# Altium PCB PCB1.PcbDoc (part 6 of 6)
Units mil, origin at the board's own origin, x right, y up, seen from the top; angles counter-clockwise.
Board outline 3937.01 x 3937.01 mil, 4 copper layers (Top Layer, GND, PWR, Bottom Layer), stack 72.967 mil thick; 11 components, 206 nets, 668 pads, 258 vias.
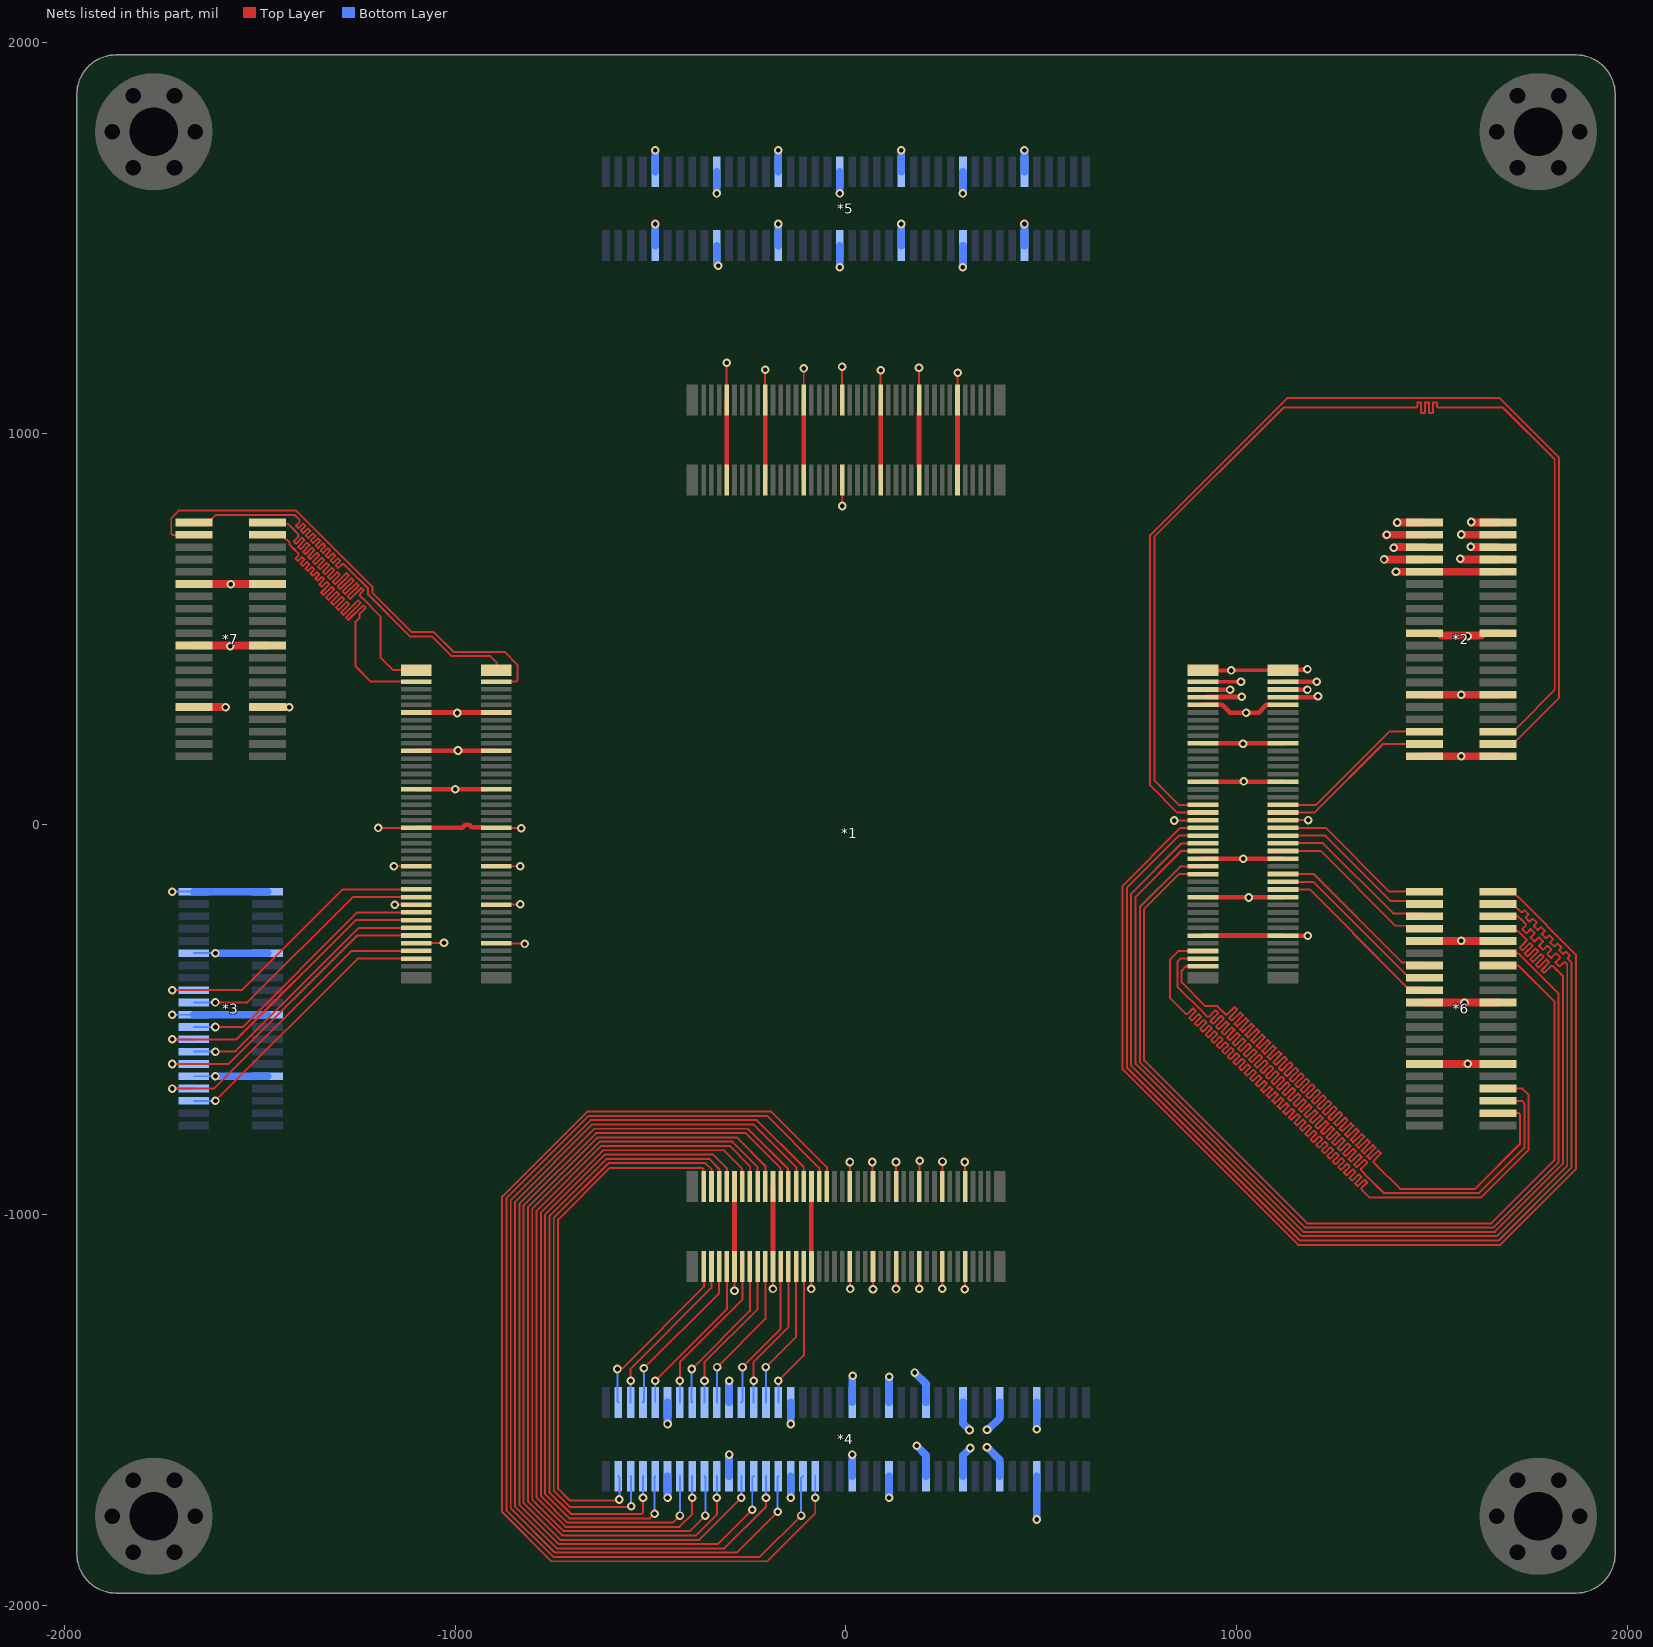
[diagram p8: the nets of this part, all layers, seen from the top]

## Via types
v1: diameter 22, hole 12, Top Layer to Bottom Layer, 254 vias
v2: diameter 24, hole 12, Top Layer to Bottom Layer, 4 vias

## Nets (pads, with @x,y where several pads share a name; then routed paths per layer and width w, separated by ;. In a path a pad name is that pad's centre, name@x,y a point inside that pad or via, vN(x,y) a via of type N, cw(c..) or ccw(c..) an arc to the next point about the centre after c; other vN are vias at no path point) (continued)
B16_L6_P: *1.73 *6.33 | length 2971.5
  Top Layer w5: *1.73@913.71,-324.99 851.87,-324.99 829,-347.86 829,-445 866.5,-482.5 868.27,-484.27 870.04,-486.04 874.18,-486.04 887.98,-472.24 888.69,-472.24 895.05,-478.61 895.05,-479.32 878.64,-495.73 878.64,-496.44 885,-502.8 885.71,-502.8 902.12,-486.39 902.83,-486.39 909.19,-492.75 909.19,-493.46 892.78,-509.87 892.78,-510.58 899.15,-516.94 899.85,-516.94 915.24,-501.55 915.95,-501.55 922.31,-507.92 922.31,-508.63 906.92,-524.01 906.92,-524.72 913.29,-531.08 913.99,-531.08 928.72,-516.36 929.43,-516.36 935.79,-522.72 935.79,-523.43 921.07,-538.15 921.07,-538.86 927.43,-545.23 928.14,-545.23 942.86,-530.5 943.57,-530.5 949.93,-536.86 949.93,-537.57 935.21,-552.3 935.21,-553 941.57,-559.37 942.28,-559.37 957.01,-544.64 957.71,-544.64 964.08,-551.01 964.08,-551.71 949.35,-566.44 949.35,-567.15 955.71,-573.51 956.42,-573.51 971.15,-558.78 971.85,-558.78 978.22,-565.15 978.22,-565.85 963.49,-580.58 963.49,-581.29 969.86,-587.65 970.56,-587.65 985.29,-572.93 986,-572.93 992.36,-579.29 992.36,-580 977.63,-594.72 977.63,-595.43 984,-601.79 984.71,-601.79 999.43,-587.07 1000.14,-587.07 1006.5,-593.43 1006.5,-594.14 991.78,-608.87 991.78,-609.57 998.14,-615.94 998.85,-615.94 1013.57,-601.21 1014.28,-601.21 1020.64,-607.57 1020.64,-608.28 1005.92,-623.01 1005.92,-623.71 1012.28,-630.08 1012.99,-630.08 1027.72,-615.35 1028.42,-615.35 1034.79,-621.72 1034.79,-622.42 1020.06,-637.15 1020.06,-637.86 1026.42,-644.22 1027.13,-644.22 1041.86,-629.49 1042.56,-629.49 1048.93,-635.86 1048.93,-636.57 1034.2,-651.29 1034.2,-652 1040.57,-658.36 1041.27,-658.36 1056,-643.64 1056.71,-643.64 1063.07,-650 1063.07,-650.71 1048.34,-665.43 1048.34,-666.14 1054.71,-672.5 1055.42,-672.5 1070.14,-657.78 1070.85,-657.78 1077.21,-664.14 1077.21,-664.85 1062.49,-679.58 1062.49,-680.28 1068.85,-686.65 1069.56,-686.65 1084.28,-671.92 1084.99,-671.92 1091.36,-678.28 1091.36,-678.99 1076.63,-693.72 1076.63,-694.43 1082.99,-700.79 1083.7,-700.79 1098.43,-686.06 1099.13,-686.06 1105.5,-692.43 1105.5,-693.13 1090.77,-707.86 1090.77,-708.57 1097.14,-714.93 1097.84,-714.93 1112.57,-700.2 1113.28,-700.2 1119.64,-706.57 1119.64,-707.28 1104.91,-722 1104.91,-722.71 1111.28,-729.07 1111.98,-729.07 1126.71,-714.35 1127.42,-714.35 1133.78,-720.71 1133.78,-721.42 1119.06,-736.14 1119.06,-736.85 1125.42,-743.22 1126.13,-743.22 1140.85,-728.49 1141.56,-728.49 1147.92,-734.85 1147.92,-735.56 1133.2,-750.29 1133.2,-750.99 1139.56,-757.36 1140.27,-757.36 1154.99,-742.63 1155.7,-742.63 1162.07,-749 1162.07,-749.7 1147.34,-764.43 1147.34,-765.14 1153.7,-771.5 1154.41,-771.5 1169.14,-756.77 1169.84,-756.77 1176.21,-763.14 1176.21,-763.84 1161.48,-778.57 1161.48,-779.28 1167.85,-785.64 1168.55,-785.64 1183.28,-770.92 1183.99,-770.92 1190.35,-777.28 1190.35,-777.99 1175.62,-792.71 1175.62,-793.42 1181.99,-799.78 1182.69,-799.78 1197.42,-785.06 1198.13,-785.06 1204.49,-791.42 1204.49,-792.13 1189.77,-806.86 1189.77,-807.56 1196.13,-813.93 1196.84,-813.93 1211.56,-799.2 1212.27,-799.2 1218.63,-805.56 1218.63,-806.27 1203.91,-821 1203.91,-821.7 1210.27,-828.07 1210.98,-828.07 1225.71,-813.34 1226.41,-813.34 1232.78,-819.71 1232.78,-820.41 1218.05,-835.14 1218.05,-835.85 1224.41,-842.21 1225.12,-842.21 1239.85,-827.48 1240.55,-827.48 1246.92,-833.85 1246.92,-834.56 1232.19,-849.28 1232.19,-849.99 1238.56,-856.35 1239.26,-856.35 1253.99,-841.63 1254.7,-841.63 1261.06,-847.99 1261.06,-848.7 1246.33,-863.42 1246.33,-864.13 1252.7,-870.49 1253.41,-870.49 1268.13,-855.77 1268.84,-855.77 1275.2,-862.13 1275.2,-862.84 1260.48,-877.57 1260.48,-878.27 1266.84,-884.64 1267.55,-884.64 1282.27,-869.91 1282.98,-869.91 1289.35,-876.27 1289.35,-876.98 1274.62,-891.71 1274.62,-892.42 1280.98,-898.78 1281.69,-898.78 1296.42,-884.05 1297.12,-884.05 1303.49,-890.42 1303.49,-891.12 1288.76,-905.85 1288.76,-906.56 1295.12,-912.92 1295.83,-912.92 1312.24,-896.51 1312.95,-896.51 1319.32,-902.87 1319.32,-903.58 1302.9,-919.99 1302.9,-920.7 1309.27,-927.06 1309.97,-927.06 1326.39,-910.65 1327.09,-910.65 1333.46,-917.01 1333.46,-917.72 1319.66,-931.52 1319.66,-935.66 1326.73,-942.73 1328.5,-944.5 1340,-956 1624.56,-956 1747.04,-833.52 1747.04,-693.04 1731.17,-677.17 *6.33@1669.29,-677.17
B16_L7_N: *1.287 *4.47 | length 2735.1
  Top Layer w5: v1(-115,-1770) -221,-1876 -749.33,-1876 -869,-1756.33 -869,-957.99 -658.01,-747 -202,-747 -68.08,-880.92 *1.287@-68.08,-923.71
  Bottom Layer w5: v1(-115,-1770) -115,-1674.06 *4.47@-110.24,-1669.29
B16_L7_P: *1.285 *4.45 | length 2836.2
  Top Layer w5: v1(-78.74,-1724.66) -78.74,-1763.74 -202,-1887 -753.89,-1887 -880,-1760.89 -880,-953.44 -662.56,-736 -191,-736 -49,-878 *1.285@-49,-927.86
  Bottom Layer w5: v1(-78.74,-1724.66) *4.45@-78.74,-1669.29
B16_L8_N: *1.77 *6.37 | length 2979.6
  Top Layer w5: *1.77@913.71,-364.36 869.64,-364.36 859,-375 859,-405.33 919.91,-466.24 950.39,-466.24 963.19,-479.05 967.07,-482.93 968.84,-484.69 971.39,-487.24 975.53,-487.24 994.32,-468.45 995.02,-468.45 1001.39,-474.81 1001.39,-475.52 980.38,-496.52 980.38,-497.23 986.75,-503.59 987.45,-503.59 1008.46,-482.59 1009.17,-482.59 1015.53,-488.95 1015.53,-489.66 994.53,-510.67 994.53,-511.37 1000.89,-517.74 1001.6,-517.74 1022.6,-496.73 1023.31,-496.73 1029.67,-503.1 1029.67,-503.8 1008.67,-524.81 1008.67,-525.52 1015.03,-531.88 1015.74,-531.88 1036.74,-510.87 1037.45,-510.87 1043.81,-517.24 1043.81,-517.95 1022.81,-538.95 1022.81,-539.66 1029.17,-546.02 1029.88,-546.02 1050.89,-525.02 1051.59,-525.02 1057.96,-531.38 1057.96,-532.09 1036.95,-553.09 1036.95,-553.8 1043.32,-560.16 1044.02,-560.16 1065.03,-539.16 1065.73,-539.16 1072.1,-545.52 1072.1,-546.23 1051.09,-567.23 1051.09,-567.94 1057.46,-574.31 1058.16,-574.31 1079.17,-553.3 1079.88,-553.3 1086.24,-559.66 1086.24,-560.37 1065.24,-581.38 1065.24,-582.08 1071.6,-588.45 1072.31,-588.45 1093.31,-567.44 1094.02,-567.44 1100.38,-573.81 1100.38,-574.51 1079.38,-595.52 1079.38,-596.23 1085.74,-602.59 1086.45,-602.59 1107.45,-581.59 1108.16,-581.59 1114.52,-587.95 1114.52,-588.66 1093.52,-609.66 1093.52,-610.37 1099.88,-616.73 1100.59,-616.73 1121.6,-595.73 1122.3,-595.73 1128.67,-602.09 1128.67,-602.8 1107.66,-623.8 1107.66,-624.51 1114.03,-630.87 1114.73,-630.87 1135.74,-609.87 1136.45,-609.87 1142.81,-616.23 1142.81,-616.94 1121.8,-637.94 1121.8,-638.65 1128.17,-645.02 1128.88,-645.02 1149.88,-624.01 1150.59,-624.01 1156.95,-630.38 1156.95,-631.08 1135.95,-652.09 1135.95,-652.79 1142.31,-659.16 1143.02,-659.16 1164.02,-638.15 1164.73,-638.15 1171.09,-644.52 1171.09,-645.22 1150.09,-666.23 1150.09,-666.94 1156.45,-673.3 1157.16,-673.3 1178.16,-652.3 1178.87,-652.3 1185.24,-658.66 1185.24,-659.37 1164.23,-680.37 1164.23,-681.08 1170.59,-687.44 1171.3,-687.44 1192.31,-666.44 1193.01,-666.44 1199.38,-672.8 1199.38,-673.51 1178.37,-694.51 1178.37,-695.22 1184.74,-701.58 1185.44,-701.58 1206.45,-680.58 1207.16,-680.58 1213.52,-686.94 1213.52,-687.65 1192.52,-708.66 1192.52,-709.36 1198.88,-715.73 1199.59,-715.73 1220.59,-694.72 1221.3,-694.72 1227.66,-701.09 1227.66,-701.79 1206.66,-722.8 1206.66,-723.5 1213.02,-729.87 1213.73,-729.87 1234.73,-708.86 1235.44,-708.86 1241.8,-715.23 1241.8,-715.94 1220.8,-736.94 1220.8,-737.65 1227.16,-744.01 1227.87,-744.01 1248.88,-723.01 1249.58,-723.01 1255.95,-729.37 1255.95,-730.08 1234.94,-751.08 1234.94,-751.79 1241.31,-758.15 1242.01,-758.15 1263.02,-737.15 1263.72,-737.15 1270.09,-743.51 1270.09,-744.22 1249.08,-765.22 1249.08,-765.93 1255.45,-772.3 1256.15,-772.3 1277.16,-751.29 1277.87,-751.29 1284.23,-757.65 1284.23,-758.36 1263.23,-779.37 1263.23,-780.07 1269.59,-786.44 1270.3,-786.44 1291.3,-765.43 1292.01,-765.43 1298.37,-771.8 1298.37,-772.5 1277.37,-793.51 1277.37,-794.22 1283.73,-800.58 1284.44,-800.58 1305.44,-779.57 1306.15,-779.57 1312.51,-785.94 1312.51,-786.65 1291.51,-807.65 1291.51,-808.36 1297.87,-814.72 1298.58,-814.72 1319.59,-793.72 1320.29,-793.72 1326.66,-800.08 1326.66,-800.79 1305.65,-821.79 1305.65,-822.5 1312.02,-828.86 1312.72,-828.86 1333.73,-807.86 1334.44,-807.86 1340.8,-814.22 1340.8,-814.93 1319.79,-835.93 1319.79,-836.64 1326.16,-843.01 1326.87,-843.01 1347.87,-822 1348.58,-822 1354.94,-828.37 1354.94,-829.07 1333.94,-850.08 1333.94,-850.78 1340.3,-857.15 1341.01,-857.15 1362.01,-836.14 1362.72,-836.14 1369.08,-842.51 1369.08,-843.21 1350.29,-862 1350.29,-866.15 1357.37,-873.22 ; 1359.13,-874.98 1357.37,-873.22 ; *6.37@1669.29,-740.16 1722.11,-740.16 1725.04,-743.09 1725.04,-818.96 1610,-934 1418.15,-934 1357.37,-873.22
B16_L8_P: *1.75 *6.35 | length 2976.7
  Top Layer w5: *1.75@913.71,-344.68 855.5,-344.68 848,-352.17 848,-416 915.55,-483.55 917.32,-485.32 925.11,-493.11 929.25,-493.11 945.12,-477.24 945.83,-477.24 952.19,-483.6 952.19,-484.31 932.92,-503.59 932.92,-504.29 939.28,-510.66 939.99,-510.66 959.27,-491.38 959.97,-491.38 966.34,-497.74 966.34,-498.45 947.06,-517.73 947.06,-518.43 953.43,-524.8 954.13,-524.8 972.91,-506.02 973.62,-506.02 979.98,-512.38 979.98,-513.09 961.2,-531.87 961.2,-532.58 967.57,-538.94 968.27,-538.94 987.05,-520.16 987.76,-520.16 994.12,-526.53 994.12,-527.23 975.35,-546.01 975.35,-546.72 981.71,-553.08 982.42,-553.08 1001.19,-534.31 1001.9,-534.31 1008.27,-540.67 1008.27,-541.38 989.49,-560.15 989.49,-560.86 995.85,-567.22 996.56,-567.22 1015.34,-548.45 1016.04,-548.45 1022.41,-554.81 1022.41,-555.52 1003.63,-574.3 1003.63,-575 1009.99,-581.37 1010.7,-581.37 1029.48,-562.59 1030.19,-562.59 1036.55,-568.95 1036.55,-569.66 1017.77,-588.44 1017.77,-589.14 1024.14,-595.51 1024.84,-595.51 1043.62,-576.73 1044.33,-576.73 1050.69,-583.1 1050.69,-583.8 1031.91,-602.58 1031.91,-603.29 1038.28,-609.65 1038.99,-609.65 1057.76,-590.87 1058.47,-590.87 1064.83,-597.24 1064.83,-597.94 1046.06,-616.72 1046.06,-617.43 1052.42,-623.79 1053.13,-623.79 1071.9,-605.02 1072.61,-605.02 1078.98,-611.38 1078.98,-612.09 1060.2,-630.86 1060.2,-631.57 1066.56,-637.94 1067.27,-637.94 1086.05,-619.16 1086.75,-619.16 1093.12,-625.52 1093.12,-626.23 1074.34,-645.01 1074.34,-645.71 1080.7,-652.08 1081.41,-652.08 1100.19,-633.3 1100.9,-633.3 1107.26,-639.66 1107.26,-640.37 1088.48,-659.15 1088.48,-659.86 1094.85,-666.22 1095.55,-666.22 1114.33,-647.44 1115.04,-647.44 1121.4,-653.81 1121.4,-654.51 1102.62,-673.29 1102.62,-674 1108.99,-680.36 1109.7,-680.36 1128.47,-661.58 1129.18,-661.58 1135.54,-667.95 1135.54,-668.66 1116.77,-687.43 1116.77,-688.14 1123.13,-694.5 1123.84,-694.5 1142.62,-675.73 1143.32,-675.73 1149.69,-682.09 1149.69,-682.8 1130.91,-701.57 1130.91,-702.28 1137.27,-708.65 1137.98,-708.65 1156.76,-689.87 1157.46,-689.87 1163.83,-696.23 1163.83,-696.94 1145.05,-715.72 1145.05,-716.42 1151.41,-722.79 1152.12,-722.79 1170.9,-704.01 1171.61,-704.01 1177.97,-710.37 1177.97,-711.08 1159.19,-729.86 1159.19,-730.57 1165.56,-736.93 1166.26,-736.93 1185.04,-718.15 1185.75,-718.15 1192.11,-724.52 1192.11,-725.22 1173.34,-744 1173.34,-744.71 1179.7,-751.07 1180.41,-751.07 1199.18,-732.3 1199.89,-732.3 1206.26,-738.66 1206.26,-739.37 1187.48,-758.14 1187.48,-758.85 1193.84,-765.21 1194.55,-765.21 1213.33,-746.44 1214.03,-746.44 1220.4,-752.8 1220.4,-753.51 1201.62,-772.29 1201.62,-772.99 1207.98,-779.36 1208.69,-779.36 1227.47,-760.58 1228.18,-760.58 1234.54,-766.94 1234.54,-767.65 1215.76,-786.43 1215.76,-787.13 1222.13,-793.5 1222.83,-793.5 1241.61,-774.72 1242.32,-774.72 1248.68,-781.09 1248.68,-781.79 1229.9,-800.57 1229.9,-801.28 1236.27,-807.64 1236.98,-807.64 1255.75,-788.86 1256.46,-788.86 1262.82,-795.23 1262.82,-795.93 1244.05,-814.71 1244.05,-815.42 1250.41,-821.78 1251.12,-821.78 1269.89,-803.01 1270.6,-803.01 1276.97,-809.37 1276.97,-810.08 1258.19,-828.85 1258.19,-829.56 1264.55,-835.93 1265.26,-835.93 1284.04,-817.15 1284.74,-817.15 1291.11,-823.51 1291.11,-824.22 1272.33,-843 1272.33,-843.7 1278.69,-850.07 1279.4,-850.07 1298.18,-831.29 1298.89,-831.29 1305.25,-837.65 1305.25,-838.36 1286.47,-857.14 1286.47,-857.85 1292.84,-864.21 1293.54,-864.21 1312.32,-845.43 1313.03,-845.43 1319.39,-851.8 1319.39,-852.5 1300.61,-871.28 1300.61,-871.99 1306.98,-878.35 1307.69,-878.35 1326.46,-859.57 1327.17,-859.57 1333.53,-865.94 1333.53,-866.65 1318.16,-882.02 1318.16,-886.16 1325.23,-893.23 1327,-895 1377,-945 1620,-945 1736.04,-828.96 1736.04,-715.04 1729.66,-708.66 *6.35@1669.29,-708.66
B16_L9_N: *1.293 *4.53 | length 2481.1
  Top Layer w5: v1(-204.72,-1724.66) -204.72,-1747.3 -311.42,-1854 -740.22,-1854 -847,-1747.22 -847,-967.11 -648.89,-769 -237,-769 -127.08,-878.92 *1.293@-127.08,-923.72
  Bottom Layer w5: v1(-204.72,-1724.66) *4.53@-204.72,-1669.29
B16_L9_P: *1.291 *4.51 | length 2583.8
  Top Layer w5: v1(-175,-1760) -280,-1865 -744.77,-1865 -858,-1751.77 -858,-962.55 -653.45,-758 -228,-758 -108.08,-877.92 *1.291@-108.08,-923.35
  Bottom Layer w5: v1(-175,-1760) -175,-1671.06 *4.51@-173.23,-1669.29
B16_L10_N: *1.294 *4.54 | length 379.8
  Top Layer w5: v1(-205,-1390) -127.74,-1312.74 *1.294@-127.74,-1132.59
  Bottom Layer w5: v1(-205,-1390) -205,-1480.04 *4.54@-204.72,-1480.32
B16_L10_P: *1.292 *4.52 | length 374.7
  Top Layer w5: v1(-173.23,-1424.95) -108.06,-1359.78 *1.292@-108.06,-1132.59
  Bottom Layer w5: *4.52@-173.23,-1480.32 v1(-173.23,-1424.95)
B16_L11_N: *1.297 *4.57 | length 2270.7
  Top Layer w5: v1(-267.72,-1724.66) -375.05,-1832 -731.11,-1832 -825,-1738.11 -825,-976.22 -639.78,-791 -257,-791 -168,-880 *1.297@-168,-922.19
  Bottom Layer w5: v1(-267.72,-1724.66) *4.57@-267.72,-1669.29
B16_L11_P: *1.295 *4.55 | length 2382.3
  Top Layer w5: v1(-240,-1755) -328,-1843 -735.66,-1843 -836,-1742.66 -836,-971.66 -644.34,-780 -251,-780 -148,-883 *1.295@-148,-922.93
  Bottom Layer w5: v1(-240,-1755) -240,-1673.07 *4.55@-236.22,-1669.29
B16_L12_N: *1.298 *4.58 | length 389.4
  Top Layer w5: v1(-265,-1390) -167.12,-1292.12 *1.298@-167.12,-1132.59
  Bottom Layer w5: *4.58@-267.72,-1480.32 -265,-1477.6 v1(-265,-1390)
B16_L12_P: *1.296 *4.56 | length 384.5
  Top Layer w5: v1(-236.22,-1424.95) -236.22,-1376.78 -147.43,-1287.99 *1.296@-147.43,-1132.59
  Bottom Layer w5: *4.56@-236.22,-1480.32 v1(-236.22,-1424.95)
B16_L13_N: *1.303 *4.63 | length 2058.7
  Top Layer w5: v1(-360,-1770) -400,-1810 -721.99,-1810 -803,-1728.99 -803,-985.33 -630.67,-813 -291,-813 -226,-878 *1.303@-226,-922.99
  Bottom Layer w5: *4.63@-362.2,-1669.29 -360,-1671.5 v1(-360,-1770)
B16_L13_P: *1.301 *4.61 | length 2152.1
  Top Layer w5: v1(-330.71,-1724.66) -330.71,-1768.29 -383.42,-1821 -726.55,-1821 -814,-1733.55 -814,-980.77 -635.23,-802 -280,-802 -206,-876 *1.301@-206,-922.27
  Bottom Layer w5: v1(-330.71,-1724.66) *4.61@-330.71,-1669.29
B16_L14_N: *1.304 *4.64 | length 425
  Top Layer w5: v1(-362.2,-1424.95) -362.2,-1377.76 -226,-1241.56 *1.304@-226,-1111.74
  Bottom Layer w5: *4.64@-362.2,-1480.32 v1(-362.2,-1424.95)
B16_L14_P: *1.302 *4.62 | length 399.2
  Top Layer w5: v1(-330,-1390) -206.49,-1266.49 *1.302@-206.49,-1132.59
  Bottom Layer w5: *4.62@-330.71,-1480.32 -330,-1479.61 v1(-330,-1390)
B16_L15_N: *1.307 *4.67 | length 1859.8
  Top Layer w5: v1(-425,-1770) -443,-1788 -712.88,-1788 -781,-1719.88 -781,-994.44 -621.56,-835 -313,-835 -266.08,-881.92 *1.307@-266.08,-923.44
  Bottom Layer w5: *4.67@-425.2,-1669.29 -425,-1669.49 v1(-425,-1770)
B16_L15_P: *1.305 *4.65 | length 1958.6
  Top Layer w5: v1(-393.7,-1724.66) -393.7,-1766.28 -426.42,-1799 -717.44,-1799 -792,-1724.44 -792,-989.89 -626.11,-824 -298,-824 -245.08,-876.92 *1.305@-245.08,-923.73
  Bottom Layer w5: v1(-393.7,-1724.66) *4.65@-393.7,-1669.29
B16_L16_N: *1.308 *4.68 | length 420.9
  Top Layer w5: v1(-425.2,-1424.95) -425.2,-1377.51 -265,-1217.31 *1.308@-265,-1125.78
  Bottom Layer w5: *4.68@-425.2,-1480.32 v1(-425.2,-1424.95)
B16_L16_P: *1.306 *4.66 | length 417.9
  Top Layer w5: v1(-395,-1395) -246,-1246 *1.306@-246,-1124.71
  Bottom Layer w5: v1(-395,-1395) -395,-1479.02 *4.66@-393.7,-1480.32
B16_L17_N: *1.313 *4.73 | length 1610.4
  Top Layer w5: v1(-519.69,-1724.66) -519.69,-1762.26 -523.42,-1766 -703.77,-1766 -759,-1710.77 -759,-1003.56 -612.44,-857 -350,-857 -324,-883 *1.313@-324,-923.03
  Bottom Layer w5: v1(-519.69,-1724.66) *4.73@-519.69,-1669.29
B16_L17_P: *1.311 *4.71 | length 1706.7
  Top Layer w5: v1(-490,-1765) -502,-1777 -708.32,-1777 -770,-1715.32 -770,-999 -617,-846 -340,-846 -305,-881 *1.311@-305,-921.5
  Bottom Layer w5: v1(-490,-1765) -490,-1671.1 *4.71@-488.19,-1669.29
B16_L18_N: *1.314 *4.74 | length 435.1
  Top Layer w5: v1(-517.21,-1392.79) -325,-1200.58 *1.314@-325,-1125.86
  Bottom Layer w5: *4.74@-519.69,-1480.32 -517.21,-1477.84 v1(-517.21,-1392.79)
B16_L18_P: *1.312 *4.72 | length 430.9
  Top Layer w5: v1(-488.19,-1424.95) -305,-1241.76 *1.312@-305,-1125.33
  Bottom Layer w5: *4.72@-488.19,-1480.32 v1(-488.19,-1424.95)
B16_L19_N: *1.317 *4.77 | length 1393.1
  Top Layer w5: v1(-580,-1729) -582,-1731 -707.66,-1731 -737,-1701.66 -737,-1012.67 -604.32,-879.99 -368.35,-879.99 -364.43,-883.92 -364.43,-927.42 *1.317@-363.98,-927.86
  Bottom Layer w5: *4.77@-582.68,-1669.29 -580,-1671.97 v1(-580,-1729)
B16_L19_P: *1.315 *4.75 | length 1496.9
  Top Layer w5: v1(-550,-1746.5) -552,-1748.5 -705.71,-1748.5 -748,-1706.21 -748,-1008.11 -607.89,-868 -360,-868 -344.08,-883.92 -344.08,-917.17 *1.315@-342,-919.25
  Bottom Layer w5: *4.75@-551.18,-1669.29 -550,-1670.47 v1(-550,-1746.5)
B16_L20_N: *1.318 *4.78 | length 446.7
  Top Layer w5: v1(-585,-1395) -582.42,-1392.42 -571.42,-1392.42 -363.98,-1184.98 *1.318@-363.98,-1132.59
  Bottom Layer w5: v1(-585,-1395) -585,-1477.99 *4.78@-582.68,-1480.32
B16_L20_P: *1.316 *4.76 | length 433.4
  Top Layer w5: v1(-551.18,-1424.95) -551.18,-1394.18 -344.29,-1187.29 *1.316@-344.29,-1132.59
  Bottom Layer w5: *4.76@-551.18,-1480.32 v1(-551.18,-1424.95)
B16_L21_N: *1.166 *3.6 | length 720.5
  Top Layer w5: v1(-1613.92,-708.66) -1249.72,-344.46 *1.166@-1099.62,-344.46
  Bottom Layer w5: *3.6@-1669.29,-708.66 v1(-1613.92,-708.66)
B16_L21_P: *1.168 *3.8 | length 826.4
  Top Layer w5: v1(-1724.66,-677.17) -1617.84,-677.17 -1265.45,-324.78 *1.168@-1099.62,-324.78
  Bottom Layer w5: v1(-1724.66,-677.17) *3.8@-1669.29,-677.17
B16_L22_N: *1.178 *3.18 | length 691.2
  Top Layer w5: v1(-1613.92,-519.69) -1544.01,-519.69 -1250.69,-226.36 *1.178@-1099.62,-226.36
  Bottom Layer w5: *3.18@-1669.29,-519.69 v1(-1613.92,-519.69)
B16_L22_P: *1.176 *3.16 | length 806.8
  Top Layer w5: v1(-1724.66,-551.18) -1559.95,-551.18 -1254.81,-246.04 *1.176@-1099.62,-246.04
  Bottom Layer w5: v1(-1724.66,-551.18) *3.16@-1669.29,-551.18
B16_L23_N: *1.174 *3.14 | length 701
  Top Layer w5: v1(-1613.92,-582.68) -1563.95,-582.68 -1246.99,-265.72 *1.174@-1099.62,-265.72
  Bottom Layer w5: *3.14@-1669.29,-582.68 v1(-1613.92,-582.68)
B16_L23_P: *1.172 *3.12 | length 816.6
  Top Layer w5: v1(-1724.66,-614.18) -1579.89,-614.18 -1251.12,-285.41 *1.172@-1099.62,-285.41
  Bottom Layer w5: v1(-1724.66,-614.18) *3.12@-1669.29,-614.18
B16_L24_N: *1.184 *3.24 | length 787.2
  Top Layer w5: v1(-1724.66,-425.2) -1546.52,-425.2 -1288.63,-167.3 *1.184@-1099.62,-167.3
  Bottom Layer w5: v1(-1724.66,-425.2) *3.24@-1669.29,-425.2
B16_L24_P: *1.182 *3.22 | length 681.4
  Top Layer w5: v1(-1613.92,-456.69) -1532.2,-456.69 -1262.5,-186.99 *1.182@-1099.62,-186.99
  Bottom Layer w5: *3.22@-1669.29,-456.69 v1(-1613.92,-456.69)
B34_L18_N: *1.41 *6.1 | length 2977.7
  Top Layer w5: *1.41@913.71,-10.02 856,-10.02 708,-158.01 708,-627.78 1157.22,-1077 1674.68,-1077 1868.04,-883.64 1868.04,-334.36 1720.06,-186.38 1719.85,-186.38 1706.69,-173.23 *6.1@1669.29,-173.23
B34_L18_P: *1.43 *6.3 | length 3000
  Top Layer w5: *1.43@913.71,-29.7 851.87,-29.7 719,-162.57 719,-623.23 1161.77,-1066 1670.12,-1066 1857.04,-879.08 1857.04,-354.85 1856.64,-354.46 1854.88,-352.69 1848.38,-346.2 1848.38,-342.05 1852.48,-337.95 1852.48,-336.89 1842.94,-327.34 1841.88,-327.34 1836.23,-332.99 1835.17,-332.99 1825.62,-323.44 1825.62,-322.38 1831.27,-316.73 1831.27,-315.67 1821.73,-306.13 1820.67,-306.13 1813.61,-313.18 1812.55,-313.18 1803.01,-303.63 1803.01,-302.57 1810.06,-295.52 1810.06,-294.46 1800.51,-284.91 1799.45,-284.91 1792.4,-291.96 1791.34,-291.96 1781.79,-282.42 1781.79,-281.36 1788.85,-274.31 1788.85,-273.25 1779.3,-263.7 1778.24,-263.7 1771.19,-270.75 1770.13,-270.75 1760.58,-261.21 1760.58,-260.15 1767.63,-253.09 1767.63,-252.03 1758.09,-242.49 1757.03,-242.49 1749.97,-249.54 1748.91,-249.54 1739.37,-239.99 1739.37,-238.93 1746.42,-231.88 1746.42,-230.82 1736.87,-221.27 1735.81,-221.27 1731.71,-225.38 1727.56,-225.38 1725.8,-223.61 1720.06,-217.88 1719.85,-217.88 1706.69,-204.72 *6.3@1669.29,-204.72
B34_L19_N: *1.47 *6.7 | length 2966
  Top Layer w5: *1.47@915.27,-69.07 858.7,-69.07 741,-186.76 741,-614.11 1170.89,-1044 1176.44,-1044 1661.01,-1044 1835.04,-869.97 1835.04,-389.04 1822.73,-376.73 1820.96,-374.96 1809.12,-363.12 1804.98,-363.12 1787.18,-380.92 1786.47,-380.92 1780.11,-374.55 1780.11,-373.85 1799.63,-354.33 1799.63,-353.62 1793.26,-347.26 1792.55,-347.26 1773.04,-366.78 1772.33,-366.78 1765.97,-360.41 1765.97,-359.7 1785.59,-340.08 1785.59,-339.38 1779.23,-333.01 1778.52,-333.01 1758.9,-352.63 1758.19,-352.63 1751.83,-346.27 1751.83,-345.56 1771.34,-326.05 1771.34,-325.34 1764.98,-318.98 1764.27,-318.98 1744.76,-338.49 1744.05,-338.49 1737.68,-332.13 1737.68,-331.42 1757.2,-311.91 1757.2,-311.2 1750.84,-304.83 1750.13,-304.83 1731.68,-323.28 1730.97,-323.28 1724.61,-316.92 1724.61,-316.21 1741.34,-299.48 1741.34,-295.34 1734.27,-288.27 1732.5,-286.5 1720.35,-274.35 1675.93,-274.35 *6.7@1669.29,-267.71
B34_L19_P: *1.45 *6.5 | length 2946.4
  Top Layer w5: *1.45@916.84,-49.38 858.71,-49.38 730,-178.08 730,-618.67 1166.33,-1055 1171.89,-1055 1191,-1055 1665.56,-1055 1846.04,-874.53 1846.04,-359.41 1842.99,-356.36 1840.79,-354.16 1836.65,-354.16 1826.71,-364.1 1825.65,-364.1 1816.11,-354.55 1816.11,-353.49 1827.58,-342.02 1827.58,-340.96 1818.03,-331.41 1816.97,-331.41 1805.5,-342.88 1804.44,-342.88 1794.89,-333.34 1794.89,-332.28 1804.96,-322.21 1804.96,-321.15 1795.42,-311.6 1794.36,-311.6 1784.29,-321.67 1783.23,-321.67 1773.68,-312.12 1773.68,-311.06 1783.75,-300.99 1783.75,-299.93 1774.21,-290.39 1773.15,-290.39 1763.07,-300.46 1762.01,-300.46 1752.47,-290.91 1752.47,-289.85 1762.54,-279.78 1762.54,-278.72 1752.99,-269.17 1751.93,-269.17 1741.86,-279.24 1740.8,-279.24 1731.25,-269.7 1731.25,-268.64 1739.78,-260.11 1739.78,-255.97 1729.18,-245.36 1727.41,-243.59 1721.11,-237.29 1670.36,-237.29 *6.5@1669.29,-236.22
B34_L20_N: *1.38 *2.38 | length 428.2
  Top Layer w5: *1.38@1124.51,30 1199.7,30 1374.42,204.72 *2.38@1480.31,204.72
B34_L20_P: *1.36 *2.36 | length 432.1
  Top Layer w5: *1.36@1125.8,49 1203.14,49 1390.36,236.22 *2.36@1480.31,236.22
B34_L21_N: *1.42 *6.2 | length 421.6
  Top Layer w5: *1.42@1126.36,-10 1227.35,-10 1390.58,-173.23 *6.2@1480.31,-173.23
B34_L21_P: *1.44 *6.4 | length 427
  Top Layer w5: *1.44@1125.65,-30 1227.14,-30 1394.51,-197.38 1472.97,-197.38 *6.4@1480.31,-204.72
B34_L22_N: *1.48 *6.8 | length 438.5
  Top Layer w5: *1.48@1124.17,-69 1214.95,-69 1406.33,-260.37 1472.97,-260.37 *6.8@1480.31,-267.71
B34_L22_P: *1.46 *6.6 | length 431.3
  Top Layer w5: *1.46@1126.58,-49 1220.55,-49 1400.42,-228.88 1472.97,-228.88 *6.6@1480.31,-236.22
B34_L23_N: *1.37 *2.37 | length 2879.5
  Top Layer w5: *1.37@913.71,29.35 847.93,29.35 778.14,99.14 778.14,739.24 1128.9,1090 1673,1090 1825,938 1825,322.82 1720.06,217.88 1719.85,217.88 1706.69,204.72 *2.37@1669.29,204.72
B34_L23_P: *1.35 *2.35 | length 2897.3
  Top Layer w5: *1.35@913.71,49.04 851.84,49.04 789.14,111.74 789.14,734.69 1120.46,1066 1456.83,1066 1459.33,1066 1462.26,1068.93 1462.26,1078.5 1462.76,1079 1471.76,1079 1472.26,1078.5 1472.26,1052.5 1472.76,1052 1481.76,1052 1482.26,1052.5 1482.26,1078.5 1482.76,1079 1491.76,1079 1492.26,1078.5 1492.26,1052.5 1492.76,1052 1501.76,1052 1502.26,1052.5 1502.26,1078.5 1502.76,1079 1511.76,1079 1512.26,1078.5 1512.26,1068.93 1515.19,1066 1527.69,1066 1681.44,1066 1814,933.44 1814,343.32 1720.06,249.37 1719.85,249.37 1706.69,236.22 *2.35@1669.29,236.22
B34_L24_N: *1.58 *6.18 | length 492.2
  Top Layer w5: *1.58@1096.94,-167.5 1096.44,-167 *1.58@1118.43,-167 ; *1.58@1118.43,-167.5 1186.52,-167.5 1297.77,-278.75 1297.77,-280.26 1435.36,-417.85 1472.97,-417.85 *6.18@1480.31,-425.2
B34_L24_P: *1.56 *6.16 | length 455.2
  Top Layer w5: *1.56@1126.86,-148 1195.97,-148 1434.33,-386.36 1472.97,-386.36 *6.16@1480.31,-393.7
B34_L25: *1.54 *6.14 | length 446.7
  Top Layer w5: *1.54@1130.66,-128 1197.18,-128 1424.05,-354.86 1472.97,-354.86 *6.14@1480.31,-362.2
fpga5V: *1.1 *1.2 *1.3 *1.4 *1.5 *1.6 *1.7 *1.8 *2.1 *2.2 *2.3 *2.4 *2.5 *2.6 *2.7 *2.8 | length 1230.4
  Top Layer w10: *1.3@913.71,363.98 v1(1011,364) ; *1.2@1118.43,393.52 *1.2@1143.04,393.52
  Top Layer w12: *1.7@923.15,325 1012,325 v1(1013,326) ; *1.5@924.04,344 v1(983,344) ; *1.8@1118.43,324.62 1202.92,324.62 1205.29,327 v1(1208,327) ; *1.4@1118.43,363.98 v1(1205,364) ; *1.6@1126.23,344 v1(1181,344) ; *1.2@1143.04,393.52 1144.28,394.76 1179.76,394.76 v1(1181,396)
  Top Layer w20: v1@1377,677 v1(1377.17,677.17) *2.8@1480.31,677.17 ; v1@1382,738 v1(1384.16,740.16) *2.4@1480.31,740.16 ; v1@1401,706 v1(1402.33,707.33) 1403.66,708.66 *2.6@1480.31,708.66 ; v1@1409,770 v1(1410.66,771.66) *2.2@1480.31,771.66 ; v1(1572,679) 1572.54,679 1574.37,677.17 *2.7@1669.29,677.17 ; v1(1575,741) 1575.54,741 1576.38,740.16 *2.3@1669.29,740.16 ; v1(1599,710) 1600.34,708.66 *2.5@1669.29,708.66 ; v1(1600,773) 1600.54,773 1601.89,771.66 *2.1@1669.29,771.66
  other v1: 986,393
FPGA_TCK: *1.237 *7.37 | length 1260.7
  Top Layer w5: *7.37@-1669.29,740.16 -1724.04,740.16 -1726.97,743.09 -1726.97,783.09 -1708.06,802 -1407,802 -1212.44,607.44 -1212.44,592.44 -1111.16,491.16 -1055.25,491.16 -1004.61,440.53 -873.44,440.53 -841,408.09 -841,367.13 -843.93,364.2 *1.237@-894.9,364.2
FPGA_TDI: *1.238 *7.38 | length 1270.3
  Top Layer w5: *7.38@-1480.31,740.16 -1474.04,733.89 -1436.64,733.89 -1435.57,732.82 -1435.57,729.94 -1432.64,727.01 -1429.55,727.01 -1424.57,722.03 -1424.57,715.57 -1409,700 -1407.23,698.23 -1400.87,691.87 -1400.87,687.73 -1408.7,679.89 -1408.7,679.26 -1402.97,673.53 -1402.34,673.53 -1392.75,683.11 -1392.11,683.11 -1386.39,677.39 -1386.39,676.75 -1395.97,667.17 -1395.97,666.53 -1390.25,660.8 -1389.61,660.8 -1380.02,670.39 -1379.39,670.39 -1373.66,664.66 -1373.66,664.02 -1383.24,654.44 -1383.24,653.8 -1377.52,648.07 -1376.88,648.07 -1367.3,657.66 -1366.66,657.66 -1360.93,651.93 -1360.93,651.29 -1370.52,641.71 -1370.52,641.07 -1364.79,635.35 -1364.15,635.35 -1354.57,644.93 -1353.93,644.93 -1348.2,639.2 -1348.2,638.57 -1357.79,628.98 -1357.79,628.35 -1352.06,622.62 -1351.42,622.62 -1341.84,632.2 -1341.2,632.2 -1335.48,626.48 -1335.48,625.84 -1347.68,613.63 -1347.68,613 -1341.95,607.27 -1341.32,607.27 -1329.11,619.48 -1328.48,619.48 -1322.75,613.75 -1322.75,613.11 -1343.32,592.53 -1343.32,591.9 -1337.6,586.17 -1336.96,586.17 -1316.38,606.75 -1315.75,606.75 -1310.02,601.02 -1310.02,600.38 -1330.6,579.81 -1330.6,579.17 -1324.87,573.44 -1324.23,573.44 -1303.66,594.02 -1303.02,594.02 -1297.29,588.29 -1297.29,587.66 -1317.87,567.08 -1317.87,566.44 -1312.14,560.71 -1311.5,560.71 -1290.93,581.29 -1290.29,581.29 -1284.56,575.56 -1284.56,574.93 -1305.14,554.35 -1305.14,553.71 -1299.41,547.99 -1298.78,547.99 -1278.2,568.56 -1277.56,568.56 -1271.84,562.84 -1271.84,562.2 -1292.41,541.62 -1292.41,540.99 -1286.69,535.26 -1286.05,535.26 -1248.75,572.56 -1248.11,572.56 -1242.39,566.83 -1242.39,566.19 -1279.68,528.89 -1279.68,528.26 -1273.96,522.53 -1273.32,522.53 -1236.02,559.83 -1235.39,559.83 -1229.66,554.1 -1229.66,553.47 -1244.74,538.38 -1244.74,528.26 -1255,518 -1255,403.13 -1216.07,364.2 *1.238@-1083.43,364.2
FPGA_TDO: *1.239 *7.39 | length 1262.2
  Top Layer w5: *7.39@-1669.29,771.66 -1631.89,771.66 -1612.55,791 -1411.56,791 -1406.28,785.72 -1404.51,783.95 -1398.15,777.59 -1398.15,773.45 -1407.7,763.89 -1407.7,763.26 -1401.97,757.53 -1401.34,757.53 -1390.03,768.84 -1389.39,768.84 -1383.67,763.11 -1383.67,762.47 -1394.97,751.17 -1394.97,750.53 -1389.25,744.8 -1388.61,744.8 -1377.3,756.11 -1376.66,756.11 -1370.94,750.38 -1370.94,749.74 -1382.24,738.44 -1382.24,737.8 -1376.52,732.07 -1375.88,732.07 -1364.57,743.38 -1363.94,743.38 -1358.21,737.65 -1358.21,737.02 -1369.52,725.71 -1369.52,725.07 -1363.79,719.35 -1363.15,719.35 -1351.85,730.65 -1351.21,730.65 -1345.48,724.93 -1345.48,724.29 -1356.79,712.98 -1356.79,712.35 -1351.06,706.62 -1350.42,706.62 -1339.12,717.92 -1338.48,717.92 -1332.75,712.2 -1332.75,711.56 -1344.06,700.25 -1344.06,699.62 -1338.33,693.89 -1337.7,693.89 -1326.39,705.2 -1325.75,705.2 -1320.03,699.47 -1320.03,698.83 -1331.33,687.53 -1331.33,686.89 -1325.61,681.16 -1324.97,681.16 -1313.66,692.47 -1313.03,692.47 -1307.3,686.74 -1307.3,686.11 -1318.61,674.8 -1318.61,674.16 -1312.88,668.43 -1312.24,668.43 -1300.93,679.74 -1300.3,679.74 -1294.57,674.01 -1294.57,673.38 -1305.88,662.07 -1305.88,661.43 -1300.15,655.71 -1299.51,655.71 -1289.96,665.26 -1285.82,665.26 -1273.8,653.24 ; -1272.03,651.47 -1273.8,653.24 ; *1.239@-894.9,393.72 -894.9,414.33 -910.09,429.53 -1009.53,429.53 -1060.16,480.16 -1116.16,480.16 -1223.44,587.44 -1223.44,602.88 -1273.8,653.24
FPGA_TMS: *1.240 *7.40 | length 1284.8
  Top Layer w5: *7.40@-1480.31,771.66 -1477.16,768.5 -1428.5,768.5 -1409,749 -1407.23,747.23 -1400.87,740.87 -1400.87,736.73 -1413.41,724.19 -1413.41,723.55 -1407.68,717.82 -1407.04,717.82 -1392.75,732.11 -1392.11,732.11 -1386.39,726.39 -1386.39,725.75 -1402.47,709.67 -1402.47,709.03 -1396.74,703.3 -1396.11,703.3 -1380.02,719.39 -1379.39,719.39 -1373.66,713.66 -1373.66,713.02 -1389.74,696.94 -1389.74,696.3 -1384.02,690.57 -1383.38,690.57 -1367.3,706.66 -1366.66,706.66 -1360.93,700.93 -1360.93,700.29 -1377.02,684.21 -1377.02,683.57 -1371.29,677.85 -1370.65,677.85 -1354.57,693.93 -1353.93,693.93 -1348.2,688.2 -1348.2,687.57 -1364.29,671.48 -1364.29,670.85 -1358.56,665.12 -1357.92,665.12 -1341.84,681.2 -1341.2,681.2 -1335.48,675.48 -1335.48,674.84 -1351.56,658.75 -1351.56,658.12 -1345.83,652.39 -1345.2,652.39 -1329.11,668.47 -1328.48,668.47 -1322.75,662.75 -1322.75,662.11 -1338.83,646.03 -1338.83,645.39 -1333.11,639.66 -1332.47,639.66 -1316.38,655.75 -1315.75,655.75 -1310.02,650.02 -1310.02,649.38 -1326.11,633.3 -1326.11,632.66 -1320.38,626.93 -1319.74,626.93 -1302.16,644.52 -1301.52,644.52 -1295.79,638.79 -1295.79,638.15 -1313.38,620.57 -1313.38,619.93 -1307.65,614.21 -1307.01,614.21 -1278.98,642.24 -1278.35,642.24 -1272.62,636.51 -1272.62,635.87 -1300.65,607.84 -1300.65,607.21 -1294.92,601.48 -1294.29,601.48 -1266.26,629.51 -1265.62,629.51 -1259.89,623.78 -1259.89,623.14 -1287.92,595.11 -1287.92,594.48 -1282.19,588.75 -1281.56,588.75 -1253.53,616.78 -1252.89,616.78 -1247.16,611.05 -1247.16,610.42 -1275.19,582.39 -1275.19,581.75 -1269.47,576.02 -1268.83,576.02 -1240.8,604.05 -1240.16,604.05 -1234.44,598.32 -1234.44,597.69 -1243.99,588.13 -1243.99,583.99 -1240.27,580.27 -1238.5,578.5 -1191,531 -1191,425.48 -1159.24,393.72 *1.240@-1099.62,393.72
GND: *1.9 *1.10 *1.19 *1.20 *1.29 *1.30 *1.39 *1.40 *1.49 *1.50 *1.59 *1.60 *1.69 *1.70 *1.89 *1.90 *1.99 *1.100 *1.109 *1.110 *1.119 *1.120 *1.129 *1.130 *1.139 *1.140 *1.149 *1.150 *1.169 *1.170 *1.179 *1.180 *1.189 *1.190 *1.199 *1.200 *1.209 *1.210 *1.219 *1.220 *1.229 *1.230 *1.249 *1.250 *1.255 *1.256 *1.261 *1.262 *1.267 *1.268 *1.273 *1.274 *1.279 *1.280 *1.289 *1.290 *1.299 *1.300 *1.309 *1.310 *2.9 *2.10 *2.19 *2.20 *2.29 *2.30 *2.39 *2.40 *3.9 *3.10 *3.19 *3.20 *3.29 *3.30 *3.39 *3.40 *4.9 *4.10 *4.15 *4.16 *4.21 *4.22 *4.27 *4.28 *4.33 *4.34 *4.39 *4.40 *4.49 *4.50 *4.59 *4.60 *4.69 *4.70 *5.9 *5.10 *5.19 *5.20 *5.29 *5.30 *5.39 *5.40 *5.49 *5.50 *5.59 *5.60 *5.69 *5.70 *6.9 *6.10 *6.19 *6.20 *6.29 *6.30 *7.9 *7.10 *7.19 *7.20 *7.29 *7.30 | length 10946.8
  Top Layer w5: v1(-1197,-10) -1196.92,-9.92 -1099.71,-9.92 *1.200@-1099.62,-9.83 ; v1(-1157,-108.07) -1156.91,-108.16 -1101.55,-108.16 *1.190@-1101.52,-108.13 ; v1(-1154.91,-206.49) -1154.82,-206.58 -1100.12,-206.58 *1.180@-1099.62,-206.09 ; *1.170@-1099.62,-304 -1099.08,-304.55 -1029.55,-304.55 v1(-1029,-304) ; *1.169@-919.59,-306.05 -822.95,-306.05 v1(-822,-307) ; *1.179@-894.9,-205.84 -834.84,-205.84 v1(-834,-205) ; *1.189@-894.9,-108.25 -894.77,-108.13 -834.13,-108.13 v1(-834,-108) ; *1.199@-888.83,-10.42 -831.58,-10.42 v1(-831,-11) ; *1.90@-305.27,1083.91 v1(-305.27,1180.16) ; *1.310@-285.62,-1133.98 -285.37,-1134.23 -285.37,-1194.87 v1(-285.5,-1195) ; v1(-206.83,1162.83) -206.83,1085.67 *1.100@-206.66,1085.5 ; *1.300@-187.15,-1134.01 -186.9,-1134.27 -186.9,-1189.9 v1(-186.99,-1190) ; *1.110@-108.15,1086.66 -108.15,1165.91 v1(-108.06,1166) ; *1.290@-88.69,-1126.26 -88.47,-1126.48 -88.47,-1189.9 v1(-88.56,-1190) ; *1.120@-10.41,1068.66 -10.41,1169.59 v1(-10,1170) ; *1.119@-9.41,881.19 -9.6,881.01 -9.6,814.17 v1(-9.37,813.94) ; *1.280@9.47,-1129.84 10.27,-1130.65 10.27,-1189.77 v1(10.5,-1190) ; v1(10,-865) 10.02,-919.24 *1.279@11,-920.22 ; v1(67,-865) 68.05,-866.05 68.05,-918.04 *1.273@70,-919.99 ; v1(69.1,-1191.1) *1.274@69.1,-1132.59 ; *1.130@88.6,1085.5 88.69,1085.6 88.69,1160.91 v1(88.79,1161) ; v1(128,-1190) 128.08,-1189.92 128.08,-1126.7 *1.268@128,-1126.62 ; v1(128,-865) 128.07,-865.07 128.07,-918.74 *1.267@129,-919.67 ; v1(186.85,1168) 187.03,1167.82 *1.140@187.03,1085.5 *1.140@187.03,1071.54 ; *1.261@187,-920.26 188.1,-919.15 188.1,-862.9 v1(189,-862) ; v1(187.21,-1189.21) *1.262@187.21,-1132.59 ; v1(246.57,-1189.57) 246.57,-1125.74 *1.256@248,-1124.32 ; *1.255@247,-920.49 246.63,-920.12 246.63,-864.37 v1(247,-864) ; *1.150@285.65,1085.5 v1(285.65,1155) ; v1(304,-1191) 304.65,-1190.35 304.65,-1125.66 *1.250@306,-1124.32 ; v1(304,-865) 304.65,-865.65 304.65,-917.62 *1.249@307,-919.96 ; v1(840,9) 840.34,9.34 914.92,9.34 *1.39@915.26,9 ; v1(1017,-89) 1017.13,-88.87 1118.31,-88.87 *1.50@1118.43,-89 ; v1(1018,109) 1018.45,108.55 1117.93,108.55 *1.30@1118.43,108.09 *1.30@1118.43,108.05 ; *1.40@1127.05,10 1127.22,9.84 1182.84,9.84 v1(1183,10)
  Top Layer w12: *1.200@-1099.62,-9.83 -981.66,-9.83 -973.97,-2.14 -964.03,-2.14 -958.13,-8.05 -930.05,-8.05 *1.199@-928.27,-9.83 ; *1.210@-1099.62,88.59 -1099.53,88.68 -1000.32,88.68 v1(-1000,89) *1.209@-921.62,89 ; *1.220@-1099.62,187.02 -1099.53,187.11 -993.89,187.11 v1(-993,188) -992.12,187.12 -894.99,187.12 *1.219@-894.9,187.03 ; *1.230@-1099.62,285.46 -1099.53,285.36 -996.36,285.36 v1(-995,284) -993.64,285.36 *1.229@-928.27,285.36 ; *1.89@-305.18,914.15 -305.18,1085.41 *1.90@-305.08,1085.5 ; *1.310@-285.24,-1132.59 *1.309@-285.24,-927.86 ; *1.99@-206.66,880.78 *1.100@-206.66,1085.5 ; *1.300@-186.81,-1099.22 *1.299@-186.81,-927.86 ; *1.109@-108.24,880.78 *1.110@-108.24,1085.5 ; *1.290@-89,-1115.82 *1.289@-89,-919.71 ; *1.129@88.6,880.78 *1.130@88.6,1080.22 ; *1.139@187,914.15 *1.140@187,1052.13 ; *1.149@285.47,914.15 *1.150@285.47,1085.5 ; *1.69@913.71,-285.62 *1.70@1118.43,-285.62 1118.53,-285.71 1181.71,-285.71 v1(1182,-286) ; *1.59@913.71,-187.19 913.8,-187.28 1030.28,-187.28 v1(1031,-188) 1031.73,-187.27 1118.34,-187.27 *1.60@1118.43,-187.18 ; *1.49@913.71,-88.75 *1.50@1118.43,-88.75 ; *1.29@913.71,108.09 *1.30@1118.43,108.09 ; *1.19@913.71,206.51 1014.49,206.51 v1(1016,205) 1017.51,206.51 *1.20@1118.43,206.51 ; *1.9@913.71,304.93 963.07,304.93 983,285 v1(1024,285) 1055.93,285 1075.87,304.93 *1.10@1085.06,304.93
  Top Layer w19.68: *7.9@-1669.29,299.21 -1588.21,299.21 v1(-1588,299) ; *7.19@-1669.29,456.69 -1578.32,456.69 -1577.07,455.44 v1@-1576.76,455.76 ; *7.29@-1669.29,614.17 -1575.17,614.17 v1(-1575,614) ; v1@-1577.69,456.69 v1@-1576.76,455.76 ; v1(-1576,455) v1@-1576.76,455.76 ; *7.10@-1480.31,299.21 v1(-1424.79,299.21) ; v1@1406,644 v1(1407.67,645.67) *2.10@1480.31,645.67 *2.9@1669.29,645.67 ; *6.30@1480.31,-614.17 *6.29@1669.29,-614.17 ; *6.20@1480.31,-456.69 *6.19@1669.29,-456.69 ; *6.10@1480.31,-299.21 v1(1574.8,-299.21) *6.9@1669.29,-299.21 ; *2.40@1480.31,173.23 v1(1574.8,173.23) *2.39@1669.29,173.23 ; *2.30@1480.31,330.71 v1(1574.8,330.71) *2.29@1669.29,330.71 ; *2.20@1480.31,488.19 1517.72,488.19 1523.53,482.38 1626.08,482.38 1631.89,488.19 *2.19@1669.29,488.19
  Top Layer w20: v1@-1578.32,456.69 -1577.69,456.69 *7.20@-1480.31,456.69 ; v1(-1575,614) -1574.91,614.09 -1480.4,614.09 *7.30@-1480.31,614.17
  Bottom Layer w5: v1(-1724.66,-488.19) *3.20@-1669.29,-488.19 ; v1(-1724.66,-173.22) *3.40@-1669.29,-173.22 ; *3.10@-1669.29,-645.67 v1(-1613.92,-645.67) ; *3.30@-1669.29,-330.71 v1(-1613.92,-330.71)
  Bottom Layer w19.68: *5.10@-488.19,1480.32 v1(-488.19,1535.69) ; *5.9@-488.19,1669.29 v1(-488.19,1724.66) ; v1(-456.69,-1724.66) *4.69@-456.69,-1669.29 ; v1(-456.69,-1535.69) *4.70@-456.69,-1480.32 ; *5.20@-330.71,1480.32 -330.71,1433.29 -326.85,1429.43 v1(-326.85,1428.81) ; v1(-330.71,1613.92) *5.19@-330.71,1669.29 ; *4.59@-299.21,-1669.29 v1(-299.21,-1613.92) ; *4.60@-299.21,-1480.32 v1(-299.21,-1424.95) ; *5.30@-173.23,1480.32 v1(-173.23,1535.69) ; *5.29@-173.23,1669.29 v1(-173.23,1724.66) ; v1(-141.73,-1724.66) *4.49@-141.73,-1669.29 ; v1(-141.73,-1535.69) *4.50@-141.73,-1480.32 ; v1(-15.75,1424.95) *5.40@-15.75,1480.32 ; v1(-15.75,1613.92) *5.39@-15.75,1669.29 ; *4.39@15.75,-1669.29 v1(15.75,-1613.92) ; *4.40@15.75,-1480.32 15.75,-1413.88 17,-1412.63 v1(17,-1412) ; v1(110.24,-1724.66) *4.33@110.24,-1669.29 ; *4.34@110.24,-1480.32 110.24,-1416.39 111,-1415.63 v1(111,-1415) ; *5.50@141.73,1480.32 v1(141.73,1535.69) ; *5.49@141.73,1669.29 v1(141.73,1724.66) ; v1(176,-1404) 204.73,-1432.73 *4.28@204.73,-1480.32 ; v1(181,-1591) 181,-1591.63 204.73,-1615.35 *4.27@204.73,-1669.29 ; *4.21@299.21,-1669.29 299.21,-1616.41 318,-1597.63 v1(318,-1597) ; *4.22@299.21,-1480.32 299.21,-1533.59 316,-1550.37 v1(316,-1551) ; v1(299.21,1424.95) *5.60@299.21,1480.32 ; v1(299.21,1613.92) *5.59@299.21,1669.29 ; v1(361,-1595) 393.7,-1627.7 *4.15@393.7,-1669.29 ; v1(361,-1550) 361.44,-1549.56 364.58,-1549.56 393.7,-1520.44 *4.16@393.7,-1480.32 ; *5.70@456.69,1480.32 v1(456.69,1535.69) ; *5.69@456.69,1669.29 v1(456.69,1724.66) ; v1(488,-1780) 488.19,-1779.81 *4.9@488.19,-1669.29 ; v1(488,-1549) 488.19,-1548.81 *4.10@488.19,-1480.32
  Bottom Layer w20: *3.20@-1669.29,-488.19 *3.19@-1480.31,-488.19 ; *3.40@-1669.29,-173.22 *3.39@-1480.31,-173.22 ; v1(-1613.92,-645.67) *3.9@-1480.31,-645.67 ; v1(-1613.92,-330.71) *3.29@-1480.31,-330.71
  other v1: 1591,-614 1583,-458 1591,481
XADC_VN: *1.51 *6.11 | length 2550.9
  Top Layer w5: *1.51@917.14,-109 855.44,-109 752,-212.43 752,-609.56 1175.44,-1033 1181,-1033 1656.45,-1033 1824.04,-865.41 1824.04,-434.04 1721.11,-331.11 1669.69,-331.11 *6.11@1669.29,-330.71
XADC_VP: *1.53 *6.13 | length 2453.6
  Top Layer w5: *1.53@913.71,-128.13 851.86,-128.13 763,-216.99 763,-605 1180,-1022 1651.89,-1022 1813.04,-860.86 1813.04,-454.04 1721.2,-362.2 *6.13@1669.29,-362.2
pads on no net: *1.11 *1.12 *1.13 *1.14 *1.15 *1.17 *1.52 *1.55 *1.57 *1.62 *1.64 *1.66 *1.68 *1.72 *1.74 *1.76 *1.78 *1.79 *1.80 *1.235 *1.236 *1.241 *1.242 *1.243 *1.244 *1.245 *1.246 *1.247 *1.248 *1.251 *1.252 *1.253 *1.254 *1.257 *1.258 *1.259 *1.260 *1.263 *1.264 *1.265 *1.266 *1.269 *1.270 *1.271 *1.272 *1.275 *1.276 *1.277 *1.278 *1.319 *1.320 *2.12 *2.14 *4.17 *4.18 *4.19 *4.20 *4.29 *4.30 *4.31 *4.32 *4.35 *4.36 *4.37 *4.38 *4.79 *4.80 *6.12 *6.15 *6.17 *7.35 *7.36 SP1.1 SP2.1 SP3.1 SP4.1

## Polygon pours and split planes (outlines as drawn)
GND on GND (split plane): 1891.81,1945.34 1906.35,1939.31 1919.44,1930.57 1930.57,1919.44 1939.31,1906.35 1945.34,1891.81 1948.41,1876.37 1948.41,1868.5 1948.41,-1868.5 1948.41,-1876.37 1945.34,-1891.81 1939.31,-1906.35 1930.57,-1919.44 1919.44,-1930.57 1906.35,-1939.31 1891.81,-1945.34 1876.37,-1948.41 -1876.37,-1948.41 -1891.81,-1945.34 -1906.35,-1939.31 -1919.44,-1930.57 -1930.57,-1919.44 -1939.31,-1906.35 -1945.34,-1891.81 -1948.41,-1876.37 -1948.41,-1868.5 -1948.41,1868.5 -1948.41,1876.37 -1945.34,1891.81 -1939.31,1906.35 -1930.57,1919.44 -1919.44,1930.57 -1906.35,1939.31 -1891.81,1945.34 -1876.37,1948.41 1876.37,1948.41
no net on PWR (split plane): 1891.81,1945.34 1906.35,1939.31 1919.44,1930.57 1930.57,1919.44 1939.31,1906.35 1945.34,1891.81 1948.41,1876.37 1948.41,1868.5 1948.41,-1868.5 1948.41,-1876.37 1945.34,-1891.81 1939.31,-1906.35 1930.57,-1919.44 1919.44,-1930.57 1906.35,-1939.31 1891.81,-1945.34 1876.37,-1948.41 -1876.37,-1948.41 -1891.81,-1945.34 -1906.35,-1939.31 -1919.44,-1930.57 -1930.57,-1919.44 -1939.31,-1906.35 -1945.34,-1891.81 -1948.41,-1876.37 -1948.41,-1868.5 -1948.41,1868.5 -1948.41,1876.37 -1945.34,1891.81 -1939.31,1906.35 -1930.57,1919.44 -1919.44,1930.57 -1906.35,1939.31 -1891.81,1945.34 -1876.37,1948.41 1876.37,1948.41
3V3 on PWR (split plane): 1695.9,605.89 1695.9,526.11 1677.89,508.1 1577,508.1 1575.05,507.71 1573.4,506.6 1426.4,359.6 1425.29,357.95 1424.9,356 1424.9,-260.89 1255.4,-430.4 1254.29,-432.05 1253.9,-434 1253.9,-454.89 383.4,-1325.4 382.29,-1327.05 381.9,-1329 381.9,-1346.89 283.4,-1445.4 282.29,-1447.05 281.9,-1449 281.9,-1607.9 225.11,-1607.9 213.1,-1595.89 213.1,-1358 213.1,-1318.11 391.11,-1140.1 424,-1140.1 425.95,-1139.71 427.6,-1138.6 437.15,-1129.06 438.37,-1129.06 439.65,-1128.93 442.29,-1128.67 444.94,-1127.86 446.06,-1127.53 451.85,-1125.13 455.32,-1123.27 457.28,-1121.67 458.37,-1120.77 462.8,-1116.34 465.3,-1113.3 467.15,-1109.82 469.55,-1104.03 470.7,-1100.26 471.08,-1096.34 471.08,-1095.13 1341.6,-224.6 1342.71,-222.95 1343.1,-221 1343.1,407.89 1561.11,625.9 1675.89,625.9
+12 on PWR (split plane): 1543.9,-633.11 1543.9,-780.89 1533.89,-790.9 1265,-790.9 1263.05,-791.29 1261.4,-792.4 635.4,-1418.4 634.29,-1420.05 633.9,-1422 633.9,-1751.9 514.1,-1751.9 514.1,-1366.11 1248.11,-632.1 1542.89,-632.1
+5 on PWR (split plane): 1546.9,-492.11 1546.9,-617.89 1542.89,-621.9 1246,-621.9 1244.05,-622.29 1242.4,-623.4 505.4,-1360.4 504.29,-1362.05 503.9,-1364 503.9,-1750.9 395.11,-1750.9 392.1,-1747.89 392.1,-1369 392.1,-1331.11 1261.11,-462.1 1516.89,-462.1
fpga5V on PWR (split plane): 1679.9,788.89 1679.9,667.11 1667.89,655.1 1576,655.1 1574.05,654.71 1572.4,653.6 1228.89,310.1 980.11,310.1 965.1,325.11 965.1,428.89 1336.11,799.9 1423,799.9 1424.95,800.29 1425.87,800.9 1667.89,800.9

## Other copper
PWR (plane layer: these items are gaps in the copper):
  lines w10: 387,-1349 287,-1449 287,-1613 223,-1613 208,-1598 208,-1358 208,-1316 389,-1135 424,-1135 1338,-221 1338,410 1559,631 1678,631 1701,608 1701,524 1680,503 1577,503 1430,356 1430,-263 1259,-434 1259,-457 ; 508,-1757 639,-1757 639,-1422 1265,-796 1536,-796 1549,-783 1549,-631 1545,-627 ; 1259,-457 1519,-457 1552,-490 1552,-620 1545,-627 ; 1259,-457 387,-1329 387,-1369 387,-1750 393,-1756 509,-1756 509,-1364 1246,-627 1545,-627 ; 960,323 978,305 1231,305 1576,650 1670,650 1685,665 1685,791 1670,806 1436,806 1424,806 1423,805 1334,805 960,431 960,323

## Silkscreen, mask and mechanical layers (free items; w line width, h text height)
Mechanical 1:
  the board outline again, w10

## Text inside footprints (layer, text, board x,y; h text height)
*3: Bottom Overlay "1" at -1503.8,-883.96 h35 r270; Bottom Overlay "2" at -1676.8,-887.96 h35 r270; Bottom Overlay "39" at -1506.8,-106.96 h35 r270; Bottom Overlay "40" at -1673.8,-107.96 h35 r270